# Altium PCB PCB-FPGA.PcbDoc (part 1 of 2) (continued)
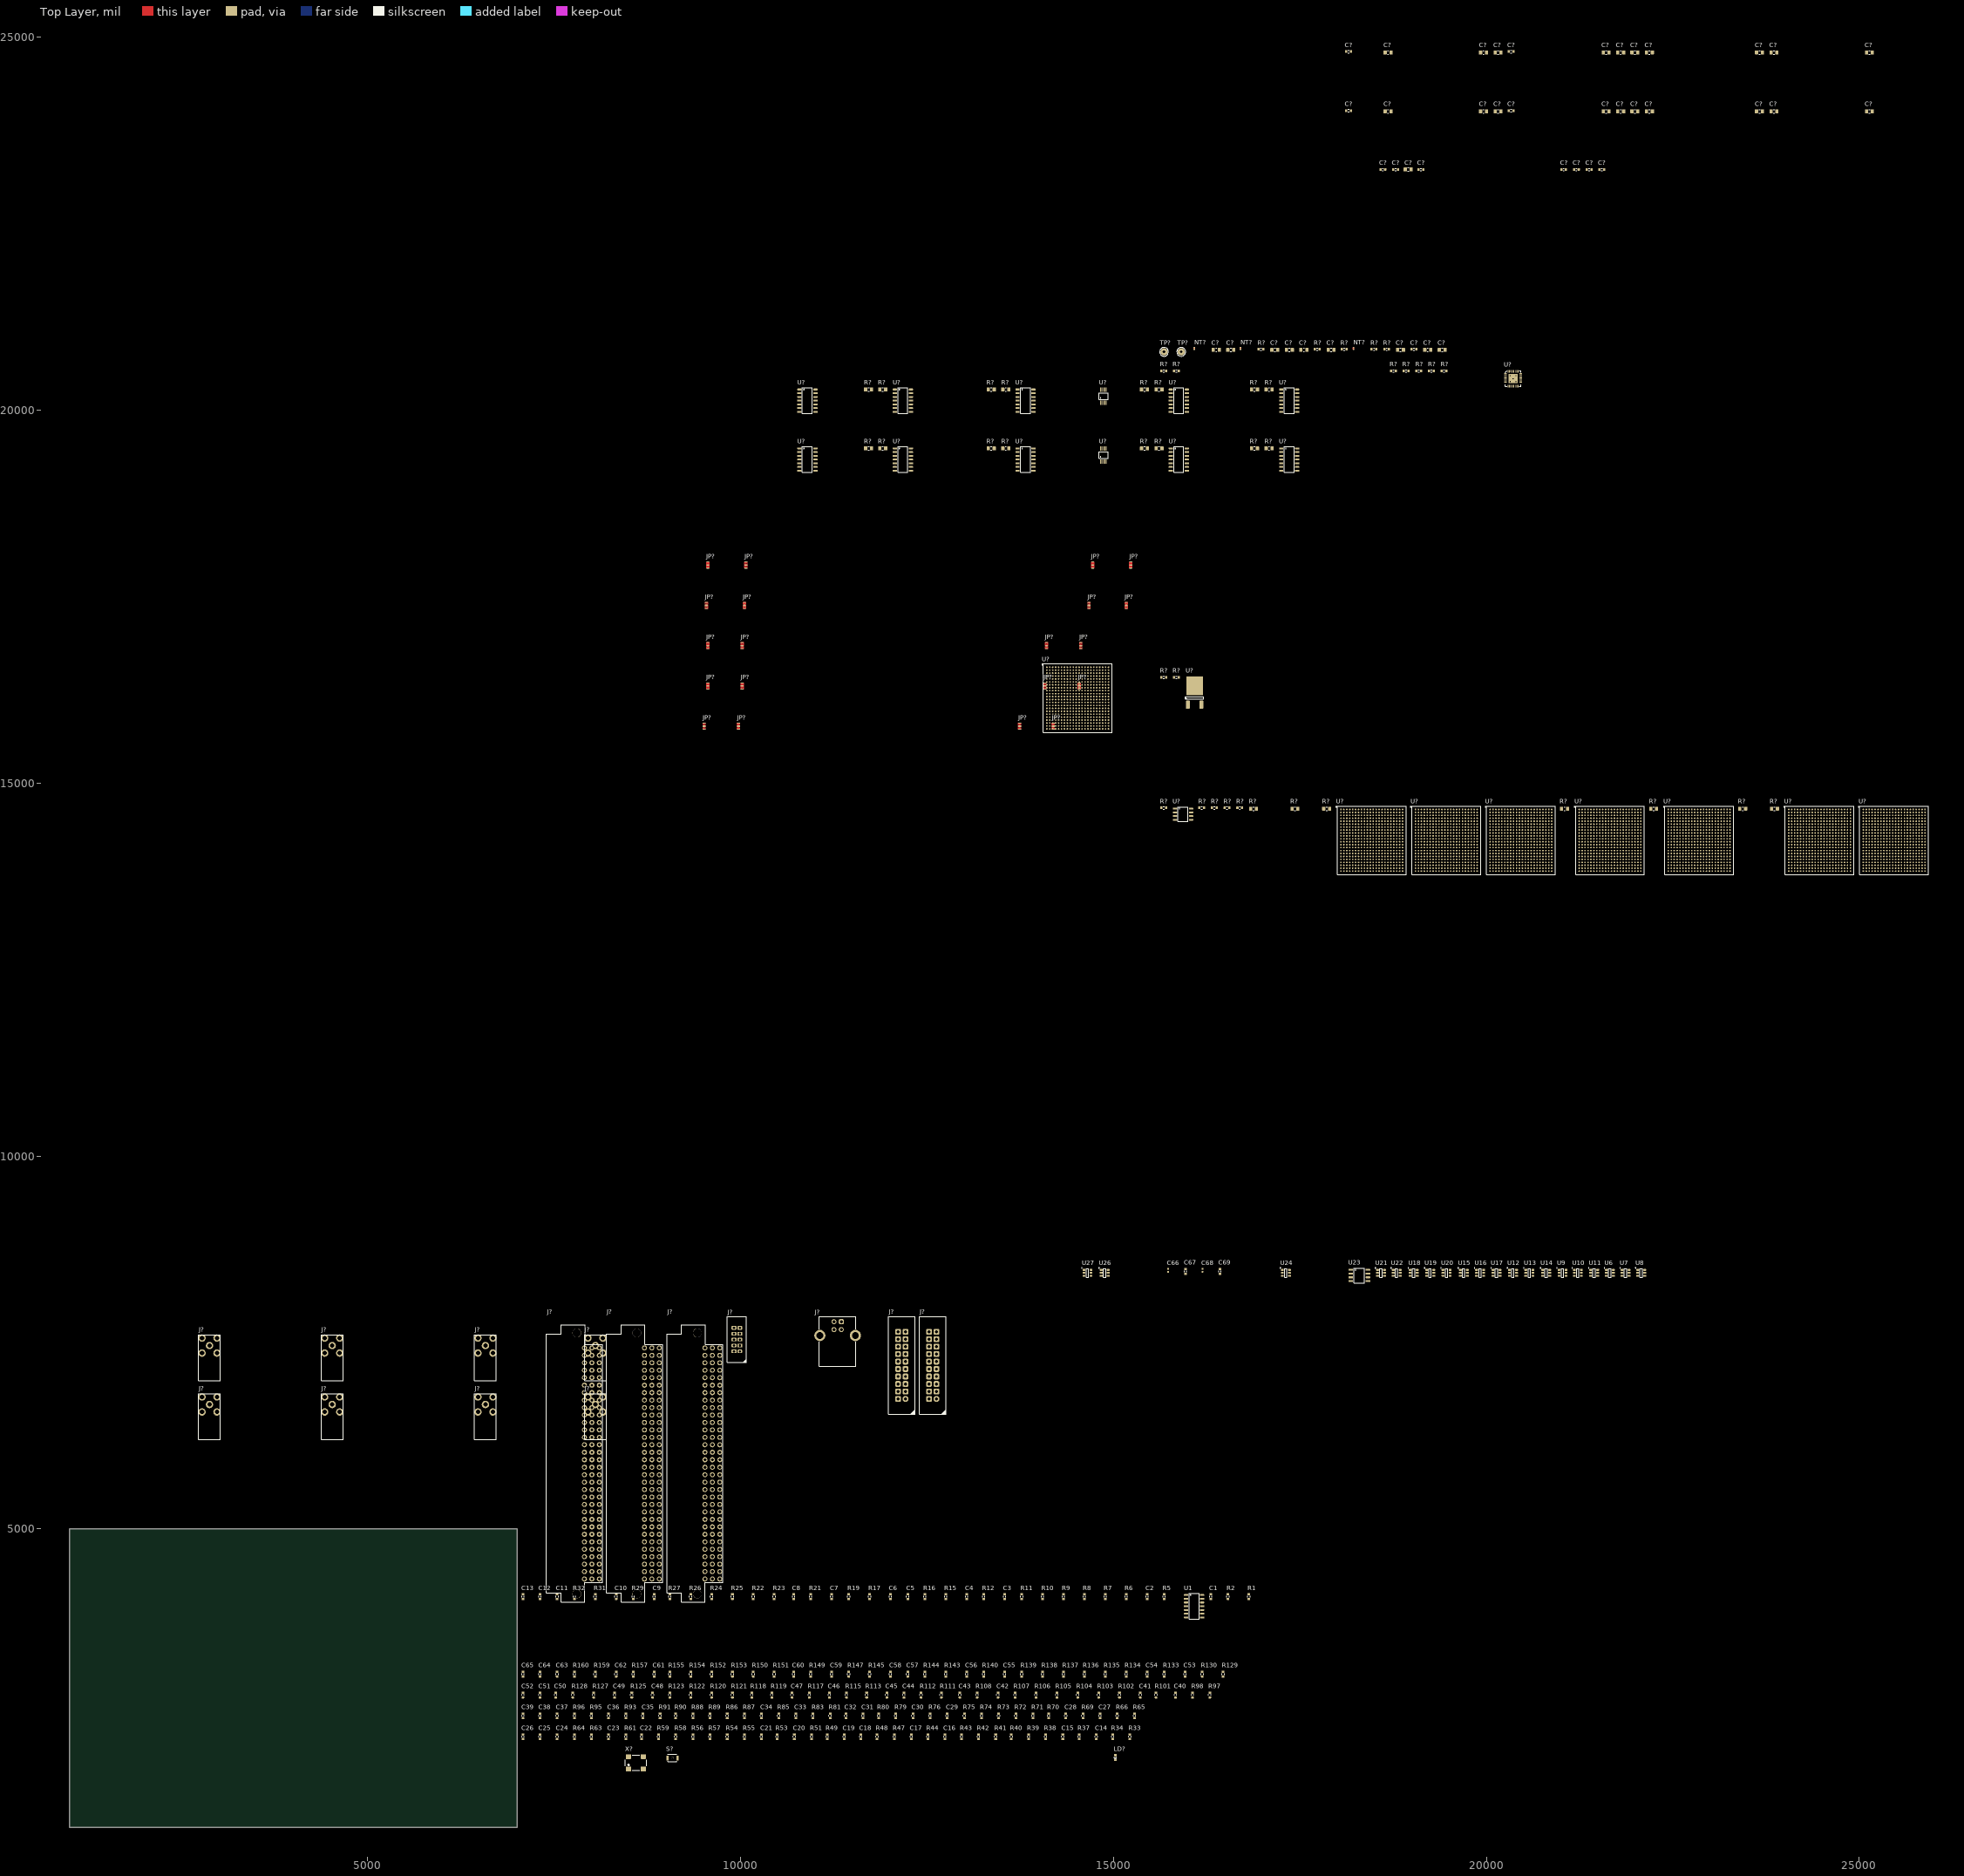
[diagram p0: Top Layer view]
## Components (designator, comment, footprint, x,y, rotation, side; value= is the part's Value field where it differs from the comment) (continued)
R130 "18k" "RESISTOR 1608 REFLOW" 16190,3055 r90 top
R133 "8k2" "RESISTOR 1608 REFLOW" 15680,3055 r90 top
R134 "8k2" "RESISTOR 1608 REFLOW" 15170,3055 r90 top
R135 "82R" "RESISTOR 1608 REFLOW" 14890,3055 r90 top
R136 "82R" "RESISTOR 1608 REFLOW" 14610,3055 r90 top
R137 "8k2" "RESISTOR 1608 REFLOW" 14330,3055 r90 top
R138 "8k2" "RESISTOR 1608 REFLOW" 14050,3055 r90 top
R139 "10k" "RESISTOR 1608 REFLOW" 13770,3055 r90 top
R140 "10k" "RESISTOR 1608 REFLOW" 13260,3055 r90 top
R143 "18k" "RESISTOR 1608 REFLOW" 12750,3055 r90 top
R144 "18k" "RESISTOR 1608 REFLOW" 12470,3055 r90 top
R145 "18k" "RESISTOR 1608 REFLOW" 11730,3055 r90 top
R147 "18k" "RESISTOR 1608 REFLOW" 11450,3055 r90 top
R149 "8k2" "RESISTOR 1608 REFLOW" 10940,3055 r90 top
R150 "8k2" "RESISTOR 1608 REFLOW" 10170,3055 r90 top
R151 "82R" "RESISTOR 1608 REFLOW" 10450,3055 r90 top
R152 "82R" "RESISTOR 1608 REFLOW" 9610,3055 r90 top
R153 "8k2" "RESISTOR 1608 REFLOW" 9890,3055 r90 top
R154 "8k2" "RESISTOR 1608 REFLOW" 9330,3055 r90 top
R155 "10k" "RESISTOR 1608 REFLOW" 9050,3055 r90 top
R157 "10k" "RESISTOR 1608 REFLOW" 8560,3055 r90 top
R159 "18k" "RESISTOR 1608 REFLOW" 8050,3055 r90 top
R160 "18k" "RESISTOR 1608 REFLOW" 7770,3055 r90 top
R? "3k6" "RESISTOR 2012 REFLOW" 11905,20280 r0 top
R? "3k3" "RESISTOR 2012 REFLOW" 11715,20280 r0 top
R? "3k6" "RESISTOR 2012 REFLOW" 13555,20280 r0 top
R? "3k3" "RESISTOR 2012 REFLOW" 13360,20280 r0 top
R? "3k6" "RESISTOR 2012 REFLOW" 15610,20280 r0 top
R? "3k3" "RESISTOR 2012 REFLOW" 15415,20280 r0 top
R? "3k6" "RESISTOR 2012 REFLOW" 17085,20280 r0 top
R? "3k3" "RESISTOR 2012 REFLOW" 16890,20280 r0 top
R? "3k6" "RESISTOR 2012 REFLOW" 11905,19490 r0 top
R? "3k3" "RESISTOR 2012 REFLOW" 11715,19490 r0 top
R? "3k6" "RESISTOR 2012 REFLOW" 13555,19490 r0 top
R? "3k3" "RESISTOR 2012 REFLOW" 13360,19490 r0 top
R? "3k6" "RESISTOR 2012 REFLOW" 15610,19490 r0 top
R? "3k3" "RESISTOR 2012 REFLOW" 15415,19490 r0 top
R? "3k6" "RESISTOR 2012 REFLOW" 17085,19490 r0 top
R? "3k3" "RESISTOR 2012 REFLOW" 16890,19490 r0 top
R? "4.7k" "RESISTOR 2012 REFLOW" 21047.28,14660 r0 top
R? "100" "RESISTOR 2012 REFLOW" 23437.28,14660 r0 top
R? "330" "RESISTOR 2012 REFLOW" 23862.28,14660 r0 top
R? "0" "RESISTOR 2012 REFLOW" 17857.28,14660 r0 top
R? "4.7k" "RESISTOR 2012 REFLOW" 16877.28,14660 r0 top
R? "0" "RESISTOR 2012 REFLOW" 17432.28,14660 r0 top
R? "0" "RESISTOR 2012 REFLOW" 22242.28,14660 r0 top
R? "100" "RESISTOR 1608 REFLOW" 15672.28,14670 r0 top
R? "100" "RESISTOR 1608 REFLOW" 16692.28,14670 r0 top
R? "10k" "RESISTOR 1608 REFLOW" 16352.28,14670 r0 top
R? "10k" "RESISTOR 1608 REFLOW" 16182.28,14670 r0 top
R? "10k" "RESISTOR 1608 REFLOW" 16522.28,14670 r0 top
R? "10k" "RESISTOR 1608 REFLOW" 18092.28,20820 r0 top
R? "56R" "RESISTOR 1608 REFLOW" 18492.28,20820 r0 top
R? "560R" "RESISTOR 1608 REFLOW" 16977.28,20820 r0 top
R? "10k / 0.1%" "RESISTOR 1608 REFLOW" 17732.28,20820 r0 top
R? "10k / 0.1%" "RESISTOR 1608 REFLOW" 18662.28,20820 r0 top
R? "10k" "RESISTOR 1608 REFLOW" 19432.28,20530 r0 top
R? "10k" "RESISTOR 1608 REFLOW" 18752.28,20530 r0 top
R? "10k" "RESISTOR 1608 REFLOW" 18922.28,20530 r0 top
R? "10k" "RESISTOR 1608 REFLOW" 19092.28,20530 r0 top
R? "10k" "RESISTOR 1608 REFLOW" 19262.28,20530 r0 top
R? "4k7" "RESISTOR 1608 REFLOW" 15842.28,20530 r0 top
R? "4k7" "RESISTOR 1608 REFLOW" 15672.28,20530 r0 top
R? "15k" "RESISTOR 1608 REFLOW" 15672.28,16420 r0 top
R? "1k" "RESISTOR 1608 REFLOW" 15842.28,16420 r0 top
S? "*" "Push Button C2.5X3.0 OMRON B3U-1000P(M)-B" 9085,1930 r0 top
TP? "*" "Test Point Keystone Miniature BLACK" 15677.28,20785 r0 top
TP? "*" "Test Point Keystone Miniature BLACK" 15907.28,20785 r0 top
U1 "*" "SO14 P1.27 C4.0X8.8 H1.75" 16080,3965 r0 top
U6 "ADS7886SBDCKT" "SOT23-6 P0.95 C1.5x3.0 H1.3" 21655.63,8435 r0 top
U7 "ADS7886SBDCKT" "SOT23-6 P0.95 C1.5x3.0 H1.3" 21865.63,8435 r0 top
U8 "ADS7886SBDCKT" "SOT23-6 P0.95 C1.5x3.0 H1.3" 22075.63,8435 r0 top
U9 "ADS7886SBDCKT" "SOT23-6 P0.95 C1.5x3.0 H1.3" 21020.63,8435 r0 top
U10 "ADS7886SBDCKT" "SOT23-6 P0.95 C1.5x3.0 H1.3" 21225.63,8435 r0 top
U11 "ADS7886SBDCKT" "SOT23-6 P0.95 C1.5x3.0 H1.3" 21445.63,8435 r0 top
U12 "ADS7886SBDCKT" "SOT23-6 P0.95 C1.5x3.0 H1.3" 20355.63,8435 r0 top
U13 "ADS7886SBDCKT" "SOT23-6 P0.95 C1.5x3.0 H1.3" 20575.63,8435 r0 top
U14 "ADS7886SBDCKT" "SOT23-6 P0.95 C1.5x3.0 H1.3" 20800.63,8435 r0 top
U15 "ADS7886SBDCKT" "SOT23-6 P0.95 C1.5x3.0 H1.3" 19695.63,8435 r0 top
U16 "ADS7886SBDCKT" "SOT23-6 P0.95 C1.5x3.0 H1.3" 19915.63,8435 r0 top
U17 "ADS7886SBDCKT" "SOT23-6 P0.95 C1.5x3.0 H1.3" 20135.63,8435 r0 top
U18 "ADS7886SBDCKT" "SOT23-6 P0.95 C1.5x3.0 H1.3" 19025.63,8435 r0 top
U19 "ADS7886SBDCKT" "SOT23-6 P0.95 C1.5x3.0 H1.3" 19245.63,8435 r0 top
U20 "ADS7886SBDCKT" "SOT23-6 P0.95 C1.5x3.0 H1.3" 19465.63,8435 r0 top
U21 "ADS7886SBDCKT" "SOT23-6 P0.95 C1.5x3.0 H1.3" 18585.63,8435 r0 top
U22 "ADS7886SBDCKT" "SOT23-6 P0.95 C1.5x3.0 H1.3" 18795.63,8435 r0 top
U23 "LT1461ACS8" "SO8 P1.27 C4.0X5.0 H1.75"#1 18295.63,8400 r0 top
U24 "ADS7886SBDCKT" "SOT23-6 P0.95 C1.5x3.0 H1.3" 17310.63,8435 r0 top
U26 "ADS7886SBDCKT" "SOT23-6 P0.95 C1.5x3.0 H1.3" 14880.63,8435 r0 top
U27 "ADS7886SBDCKT" "SOT23-6 P0.95 C1.5x3.0 H1.3" 14650.63,8435 r0 top
U? "AD8648ARZ-REEL7" "SO14 P1.27 C4.0X8.8 H1.75" 10895,20130 r0 top
U? "AD8648ARZ-REEL7" "SO14 P1.27 C4.0X8.8 H1.75" 12175,20130 r0 top
U? "AD8648ARZ-REEL7" "SO14 P1.27 C4.0X8.8 H1.75" 13820,20130 r0 top
U? "AD8648ARZ-REEL7" "SO14 P1.27 C4.0X8.8 H1.75" 15875,20130 r0 top
U? "DAC124S085CIMM/NOPB" "VSSOP10 P0.5 C3.1X3.1 H1.1" 14865,20190 r90 top
U? "AD8648ARZ-REEL7" "SO14 P1.27 C4.0X8.8 H1.75" 17355,20130 r0 top
U? "AD8648ARZ-REEL7" "SO14 P1.27 C4.0X8.8 H1.75" 10895,19340 r0 top
U? "AD8648ARZ-REEL7" "SO14 P1.27 C4.0X8.8 H1.75" 12175,19340 r0 top
U? "AD8648ARZ-REEL7" "SO14 P1.27 C4.0X8.8 H1.75" 13820,19340 r0 top
U? "AD8648ARZ-REEL7" "SO14 P1.27 C4.0X8.8 H1.75" 15875,19340 r0 top
U? "DAC124S085CIMM/NOPB" "VSSOP10 P0.5 C3.1X3.1 H1.1" 14865,19400 r90 top
U? "AD8648ARZ-REEL7" "SO14 P1.27 C4.0X8.8 H1.75" 17355,19340 r0 top
U? "XC6SLX75-FG484" "BGA484 P1.0 C23X23 H2.2" 14518.86,16142.17 r0 top
U? "XC6SLX75-FG484" "BGA484 P1.0 C23X23 H2.2" 20462.28,14235 r0 top
U? "XC6SLX75-FG484" "BGA484 P1.0 C23X23 H2.2" 21657.28,14235 r0 top
U? "XC6SLX75-FG484" "BGA484 P1.0 C23X23 H2.2" 19462.28,14235 r0 top
U? "IS25LP064D-JB" "SO8 P1.27 C4.0X5.0 H1.75"#2 15932.28,14585 r0 top
U? "XC6SLX75-FG484" "BGA484 P1.0 C23X23 H2.2" 18462.28,14235 r0 top
U? "XC6SLX75-FG484" "BGA484 P1.0 C23X23 H2.2" 24467.28,14235 r0 top
U? "XC6SLX75-FG484" "BGA484 P1.0 C23X23 H2.2" 25467.28,14235 r0 top
U? "XC6SLX75-FG484" "BGA484 P1.0 C23X23 H2.2" 22852.28,14235 r0 top
U? "FT232RQ" "QFN32 P0.5 T3.2x3.2 C5.0X5.0 H1.0" 20357.28,20425 r0 top
U? "LM317MDTRKG" "TO252-2 P2.29 C6.2x6.7 H2.4" 16087.28,16215 r90 top
X? "831022731" "Oscillator C5.2x7.2 IQD LFSPXO" 8595,1865 r0 top

## Footprints (in the part's own frame and the unit in brackets; to place one, negate y for a bottom-side part, rotate by r counter-clockwise, add the part's x,y. Pads: shape width x height; smd on the part's side, far side on the other; paste and mask are expansions set on the pad)
"BGA484 P1.0 C23X23 H2.2" [mm] "BGA, 484-Balls, Body 23x23mm, Pitch 1mm, Microsemi"
  round 0.54 smd paste-0.06: A1(-10.5,10.5) A2(-9.5,10.5) A3(-8.5,10.5) A4(-7.5,10.5) A5(-6.5,10.5) A6(-5.5,10.5) A7(-4.5,10.5) A8(-3.5,10.5) A9(-2.5,10.5) A10(-1.5,10.5) A11(-0.5,10.5) A12(0.5,10.5) A13(1.5,10.5) A14(2.5,10.5) A15(3.5,10.5) A16(4.5,10.5) A17(5.5,10.5) A18(6.5,10.5) A19(7.5,10.5) A20(8.5,10.5) A21(9.5,10.5) A22(10.5,10.5) AA1(-10.5,-9.5) AA2(-9.5,-9.5) AA3(-8.5,-9.5) AA4(-7.5,-9.5) AA5(-6.5,-9.5) AA6(-5.5,-9.5) AA7(-4.5,-9.5) AA8(-3.5,-9.5) AA9(-2.5,-9.5) AA10(-1.5,-9.5) AA11(-0.5,-9.5) AA12(0.5,-9.5) AA13(1.5,-9.5) AA14(2.5,-9.5) AA15(3.5,-9.5) AA16(4.5,-9.5) AA17(5.5,-9.5) AA18(6.5,-9.5) AA19(7.5,-9.5) AA20(8.5,-9.5) AA21(9.5,-9.5) AA22(10.5,-9.5) AB1(-10.5,-10.5) AB2(-9.5,-10.5) AB3(-8.5,-10.5) AB4(-7.5,-10.5) AB5(-6.5,-10.5) AB6(-5.5,-10.5) AB7(-4.5,-10.5) AB8(-3.5,-10.5) AB9(-2.5,-10.5) AB10(-1.5,-10.5) AB11(-0.5,-10.5) AB12(0.5,-10.5) AB13(1.5,-10.5) AB14(2.5,-10.5) AB15(3.5,-10.5) AB16(4.5,-10.5) AB17(5.5,-10.5) AB18(6.5,-10.5) AB19(7.5,-10.5) AB20(8.5,-10.5) AB21(9.5,-10.5) AB22(10.5,-10.5) B1(-10.5,9.5) B2(-9.5,9.5) B3(-8.5,9.5) B4(-7.5,9.5) B5(-6.5,9.5) B6(-5.5,9.5) B7(-4.5,9.5) B8(-3.5,9.5) B9(-2.5,9.5) B10(-1.5,9.5) B11(-0.5,9.5) B12(0.5,9.5) B13(1.5,9.5) B14(2.5,9.5) B15(3.5,9.5) B16(4.5,9.5) B17(5.5,9.5) B18(6.5,9.5) B19(7.5,9.5) B20(8.5,9.5) B21(9.5,9.5) B22(10.5,9.5) C1(-10.5,8.5) C2(-9.5,8.5) C3(-8.5,8.5) C4(-7.5,8.5) C5(-6.5,8.5) C6(-5.5,8.5) C7(-4.5,8.5) C8(-3.5,8.5) C9(-2.5,8.5) C10(-1.5,8.5) C11(-0.5,8.5) C12(0.5,8.5) C13(1.5,8.5) C14(2.5,8.5) C15(3.5,8.5) C16(4.5,8.5) C17(5.5,8.5) C18(6.5,8.5) C19(7.5,8.5) C20(8.5,8.5) C21(9.5,8.5) C22(10.5,8.5) D1(-10.5,7.5) D2(-9.5,7.5) D3(-8.5,7.5) D4(-7.5,7.5) D5(-6.5,7.5) D6(-5.5,7.5) D7(-4.5,7.5) D8(-3.5,7.5) D9(-2.5,7.5) D10(-1.5,7.5) D11(-0.5,7.5) D12(0.5,7.5) D13(1.5,7.5) D14(2.5,7.5) D15(3.5,7.5) D16(4.5,7.5) D17(5.5,7.5) D18(6.5,7.5) D19(7.5,7.5) D20(8.5,7.5) D21(9.5,7.5) D22(10.5,7.5) E1(-10.5,6.5) E2(-9.5,6.5) E3(-8.5,6.5) E4(-7.5,6.5) E5(-6.5,6.5) E6(-5.5,6.5) E7(-4.5,6.5) E8(-3.5,6.5) E9(-2.5,6.5) E10(-1.5,6.5) E11(-0.5,6.5) E12(0.5,6.5) E13(1.5,6.5) E14(2.5,6.5) E15(3.5,6.5) E16(4.5,6.5) E17(5.5,6.5) E18(6.5,6.5) E19(7.5,6.5) E20(8.5,6.5) E21(9.5,6.5) E22(10.5,6.5) F1(-10.5,5.5) F2(-9.5,5.5) F3(-8.5,5.5) F4(-7.5,5.5) F5(-6.5,5.5) F6(-5.5,5.5) F7(-4.5,5.5) F8(-3.5,5.5) F9(-2.5,5.5) F10(-1.5,5.5) F11(-0.5,5.5) F12(0.5,5.5) F13(1.5,5.5) F14(2.5,5.5) F15(3.5,5.5) F16(4.5,5.5) F17(5.5,5.5) F18(6.5,5.5) F19(7.5,5.5) F20(8.5,5.5) F21(9.5,5.5) F22(10.5,5.5) G1(-10.5,4.5) G2(-9.5,4.5) G3(-8.5,4.5) G4(-7.5,4.5) G5(-6.5,4.5) G6(-5.5,4.5) G7(-4.5,4.5) G8(-3.5,4.5) G9(-2.5,4.5) G10(-1.5,4.5) G11(-0.5,4.5) G12(0.5,4.5) G13(1.5,4.5) G14(2.5,4.5) G15(3.5,4.5) G16(4.5,4.5) G17(5.5,4.5) G18(6.5,4.5) G19(7.5,4.5) G20(8.5,4.5) G21(9.5,4.5) G22(10.5,4.5) H1(-10.5,3.5) H2(-9.5,3.5) H3(-8.5,3.5) H4(-7.5,3.5) H5(-6.5,3.5) H6(-5.5,3.5) H7(-4.5,3.5) H8(-3.5,3.5) H9(-2.5,3.5) H10(-1.5,3.5) H11(-0.5,3.5) H12(0.5,3.5) H13(1.5,3.5) H14(2.5,3.5) H15(3.5,3.5) H16(4.5,3.5) H17(5.5,3.5) H18(6.5,3.5) H19(7.5,3.5) H20(8.5,3.5) H21(9.5,3.5) H22(10.5,3.5) J1(-10.5,2.5) J2(-9.5,2.5) J3(-8.5,2.5) J4(-7.5,2.5) J5(-6.5,2.5) J6(-5.5,2.5) J7(-4.5,2.5) J8(-3.5,2.5) J9(-2.5,2.5) J10(-1.5,2.5) J11(-0.5,2.5) J12(0.5,2.5) J13(1.5,2.5) J14(2.5,2.5) J15(3.5,2.5) J16(4.5,2.5) J17(5.5,2.5) J18(6.5,2.5) J19(7.5,2.5) J20(8.5,2.5) J21(9.5,2.5) J22(10.5,2.5) K1(-10.5,1.5) K2(-9.5,1.5) K3(-8.5,1.5) K4(-7.5,1.5) K5(-6.5,1.5) K6(-5.5,1.5) K7(-4.5,1.5) K8(-3.5,1.5) K9(-2.5,1.5) K10(-1.5,1.5) K11(-0.5,1.5) K12(0.5,1.5) K13(1.5,1.5) K14(2.5,1.5) K15(3.5,1.5) K16(4.5,1.5) K17(5.5,1.5) K18(6.5,1.5) K19(7.5,1.5) K20(8.5,1.5) K21(9.5,1.5) K22(10.5,1.5) L1(-10.5,0.5) L2(-9.5,0.5) L3(-8.5,0.5) L4(-7.5,0.5) L5(-6.5,0.5) L6(-5.5,0.5) L7(-4.5,0.5) L8(-3.5,0.5) L9(-2.5,0.5) L10(-1.5,0.5) L11(-0.5,0.5) L12(0.5,0.5) L13(1.5,0.5) L14(2.5,0.5) L15(3.5,0.5) L16(4.5,0.5) L17(5.5,0.5) L18(6.5,0.5) L19(7.5,0.5) L20(8.5,0.5) L21(9.5,0.5) L22(10.5,0.5) M1(-10.5,-0.5) M2(-9.5,-0.5) M3(-8.5,-0.5) M4(-7.5,-0.5) M5(-6.5,-0.5) M6(-5.5,-0.5) M7(-4.5,-0.5) M8(-3.5,-0.5) M9(-2.5,-0.5) M10(-1.5,-0.5) M11(-0.5,-0.5) M12(0.5,-0.5) M13(1.5,-0.5) M14(2.5,-0.5) M15(3.5,-0.5) M16(4.5,-0.5) M17(5.5,-0.5) M18(6.5,-0.5) M19(7.5,-0.5) M20(8.5,-0.5) M21(9.5,-0.5) M22(10.5,-0.5) N1(-10.5,-1.5) N2(-9.5,-1.5) N3(-8.5,-1.5) N4(-7.5,-1.5) N5(-6.5,-1.5) N6(-5.5,-1.5) N7(-4.5,-1.5) N8(-3.5,-1.5) N9(-2.5,-1.5) N10(-1.5,-1.5) N11(-0.5,-1.5) N12(0.5,-1.5) N13(1.5,-1.5) N14(2.5,-1.5) N15(3.5,-1.5) N16(4.5,-1.5) N17(5.5,-1.5) N18(6.5,-1.5) N19(7.5,-1.5) N20(8.5,-1.5) N21(9.5,-1.5) N22(10.5,-1.5) P1(-10.5,-2.5) P2(-9.5,-2.5) P3(-8.5,-2.5) P4(-7.5,-2.5) P5(-6.5,-2.5) P6(-5.5,-2.5) P7(-4.5,-2.5) P8(-3.5,-2.5) P9(-2.5,-2.5) P10(-1.5,-2.5) P11(-0.5,-2.5) P12(0.5,-2.5) P13(1.5,-2.5) P14(2.5,-2.5) P15(3.5,-2.5) P16(4.5,-2.5) P17(5.5,-2.5) P18(6.5,-2.5) P19(7.5,-2.5) P20(8.5,-2.5) P21(9.5,-2.5) P22(10.5,-2.5) R1(-10.5,-3.5) R2(-9.5,-3.5) R3(-8.5,-3.5) R4(-7.5,-3.5) R5(-6.5,-3.5) R6(-5.5,-3.5) R7(-4.5,-3.5) R8(-3.5,-3.5) R9(-2.5,-3.5) R10(-1.5,-3.5) R11(-0.5,-3.5) R12(0.5,-3.5) R13(1.5,-3.5) R14(2.5,-3.5) R15(3.5,-3.5) R16(4.5,-3.5) R17(5.5,-3.5) R18(6.5,-3.5) R19(7.5,-3.5) R20(8.5,-3.5) R21(9.5,-3.5) R22(10.5,-3.5) T1(-10.5,-4.5) T2(-9.5,-4.5) T3(-8.5,-4.5) T4(-7.5,-4.5) T5(-6.5,-4.5) T6(-5.5,-4.5) T7(-4.5,-4.5) T8(-3.5,-4.5) T9(-2.5,-4.5) T10(-1.5,-4.5) T11(-0.5,-4.5) T12(0.5,-4.5) T13(1.5,-4.5) T14(2.5,-4.5) T15(3.5,-4.5) T16(4.5,-4.5) T17(5.5,-4.5) T18(6.5,-4.5) T19(7.5,-4.5) T20(8.5,-4.5) T21(9.5,-4.5) T22(10.5,-4.5) U1(-10.5,-5.5) U2(-9.5,-5.5) U3(-8.5,-5.5) U4(-7.5,-5.5) U5(-6.5,-5.5) U6(-5.5,-5.5) U7(-4.5,-5.5) U8(-3.5,-5.5) U9(-2.5,-5.5) U10(-1.5,-5.5) U11(-0.5,-5.5) U12(0.5,-5.5) U13(1.5,-5.5) U14(2.5,-5.5) U15(3.5,-5.5) U16(4.5,-5.5) U17(5.5,-5.5) U18(6.5,-5.5) U19(7.5,-5.5) U20(8.5,-5.5) U21(9.5,-5.5) U22(10.5,-5.5) V1(-10.5,-6.5) V2(-9.5,-6.5) V3(-8.5,-6.5) V4(-7.5,-6.5) V5(-6.5,-6.5) V6(-5.5,-6.5) V7(-4.5,-6.5) V8(-3.5,-6.5) V9(-2.5,-6.5) V10(-1.5,-6.5) V11(-0.5,-6.5) V12(0.5,-6.5) V13(1.5,-6.5) V14(2.5,-6.5) V15(3.5,-6.5) V16(4.5,-6.5) V17(5.5,-6.5) V18(6.5,-6.5) V19(7.5,-6.5) V20(8.5,-6.5) V21(9.5,-6.5) V22(10.5,-6.5) W1(-10.5,-7.5) W2(-9.5,-7.5) W3(-8.5,-7.5) W4(-7.5,-7.5) W5(-6.5,-7.5) W6(-5.5,-7.5) W7(-4.5,-7.5) W8(-3.5,-7.5) W9(-2.5,-7.5) W10(-1.5,-7.5) W11(-0.5,-7.5) W12(0.5,-7.5) W13(1.5,-7.5) W14(2.5,-7.5) W15(3.5,-7.5) W16(4.5,-7.5) W17(5.5,-7.5) W18(6.5,-7.5) W19(7.5,-7.5) W20(8.5,-7.5) W21(9.5,-7.5) W22(10.5,-7.5) Y1(-10.5,-8.5) Y2(-9.5,-8.5) Y3(-8.5,-8.5) Y4(-7.5,-8.5) Y5(-6.5,-8.5) Y6(-5.5,-8.5) Y7(-4.5,-8.5) Y8(-3.5,-8.5) Y9(-2.5,-8.5) Y10(-1.5,-8.5) Y11(-0.5,-8.5) Y12(0.5,-8.5) Y13(1.5,-8.5) Y14(2.5,-8.5) Y15(3.5,-8.5) Y16(4.5,-8.5) Y17(5.5,-8.5) Y18(6.5,-8.5) Y19(7.5,-8.5) Y20(8.5,-8.5) Y21(9.5,-8.5) Y22(10.5,-8.5)
  silkscreen extent -12.22,-11.7 11.7,11.7, body extent -11.5,-11.5 11.5,11.5, height 2.23
"CAPACITOR 1005 REFLOW" [mm] "Capacitor SMD 1.0x0.5mm (0402-imperial)"
  rrect25% 0.6x0.6 smd: 1(-0.5,0) 2(0.5,0)
  body extent -0.5,-0.25 0.5,0.25, height 0.5
"CAPACITOR 1608 REFLOW" [mm] "Capacitor SMD 1.6x0.8mm (0603-imperial)"
  rrect25% 0.75x0.9 smd: 1(-0.8,0) 2(0.8,0)
  silkscreen extent -0.2,-0.4 0.2,0.4, body extent -0.8,-0.4 0.8,0.4, height 0.8
"CAPACITOR 2012 REFLOW" [mm] "Capacitor SMD 2.0x1.2mm (0805-imperial)"
  rrect25% 1.1x1.35 smd: 1(-1,0) 2(1,0)
  silkscreen extent -0.2,-0.6 0.2,0.6, body extent -1,-0.6 1,0.6, height 1
"DIN41612 MALE 3X32 ABC R90" [mm] "DIN41612 MALE 3X32 ABC R90"
  round 3 hole 3 paste-25.4 mask-25.4: 0(-44.45,-10.1) 0(44.45,-10.1)
  round 1.7 hole 1: A1(-39.4,-12.7) A2(-36.86,-12.7) A3(-34.32,-12.7) A4(-31.78,-12.7) A5(-29.24,-12.7) A6(-26.7,-12.7) A7(-24.16,-12.7) A8(-21.62,-12.7) A9(-19.08,-12.7) A10(-16.54,-12.7) A11(-14,-12.7) A12(-11.46,-12.7) A13(-8.92,-12.7) A14(-6.38,-12.7) A15(-3.84,-12.7) A16(-1.3,-12.7) A17(1.24,-12.7) A18(3.78,-12.7) A19(6.32,-12.7) A20(8.86,-12.7) A21(11.4,-12.7) A22(13.94,-12.7) A23(16.48,-12.7) A24(19.02,-12.7) A25(21.56,-12.7) A26(24.1,-12.7) A27(26.64,-12.7) A28(29.18,-12.7) A29(31.72,-12.7) A30(34.26,-12.7) A31(36.8,-12.7) A32(39.34,-12.7) B1(-39.4,-15.24) B2(-36.86,-15.24) B3(-34.32,-15.24) B4(-31.78,-15.24) B5(-29.24,-15.24) B6(-26.7,-15.24) B7(-24.16,-15.24) B8(-21.62,-15.24) B9(-19.08,-15.24) B10(-16.54,-15.24) B11(-14,-15.24) B12(-11.46,-15.24) B13(-8.92,-15.24) B14(-6.38,-15.24) B15(-3.84,-15.24) B16(-1.3,-15.24) B17(1.24,-15.24) B18(3.78,-15.24) B19(6.32,-15.24) B20(8.86,-15.24) B21(11.4,-15.24) B22(13.94,-15.24) B23(16.48,-15.24) B24(19.02,-15.24) B25(21.56,-15.24) B26(24.1,-15.24) B27(26.64,-15.24) B28(29.18,-15.24) B29(31.72,-15.24) B30(34.26,-15.24) B31(36.8,-15.24) B32(39.34,-15.24) C1(-39.4,-17.78) C2(-36.86,-17.78) C3(-34.32,-17.78) C4(-31.78,-17.78) C5(-29.24,-17.78) C6(-26.7,-17.78) C7(-24.16,-17.78) C8(-21.62,-17.78) C9(-19.08,-17.78) C10(-16.54,-17.78) C11(-14,-17.78) C12(-11.46,-17.78) C13(-8.92,-17.78) C14(-6.38,-17.78) C15(-3.84,-17.78) C16(-1.3,-17.78) C17(1.24,-17.78) C18(3.78,-17.78) C19(6.32,-17.78) C20(8.86,-17.78) C21(11.4,-17.78) C22(13.94,-17.78) C23(16.48,-17.78) C24(19.02,-17.78) C25(21.56,-17.78) C26(24.1,-17.78) C27(26.64,-17.78) C28(29.18,-17.78) C29(31.72,-17.78) C30(34.26,-17.78) C31(36.8,-17.78) C32(39.34,-17.78)
  silkscreen extent -47.2,-18.9 47.2,0.2, body extent -47,-18.08 47,0, height 9.5
"FlatCable2x5 2MM Straight TH FCI 98414-G06-10ULF" [mm] "FlatCable2x5 2MM Straight TH FCI 98414-G06-10ULF"
  oct 1.219x1.727 hole 0.8: 1(-4,-1)
  rrect50% 1.219x1.727 hole 0.8: 2(-4,1) 3(-2,-1) 4(-2,1) 5(0,-1) 6(0,1) 7(2,-1) 8(2,1) 9(4,-1) 10(4,1)
  silkscreen extent -7.8,-3.3 7.8,3.3, body extent -6,-3 6,3, height 5.9
"FlatCable2x10 2.54MM Straight TH" [mm] "FlatCable2x10 2.54MM Straight TH, DIN 41651, Generic"
  oct 2x2 hole 1: 1(-11.43,-1.27)
  rrect50% 2x2 hole 1: 2(-11.43,1.27) 3(-8.89,-1.27) 4(-8.89,1.27) 5(-6.35,-1.27) 6(-6.35,1.27) 7(-3.81,-1.27) 8(-3.81,1.27) 9(-1.27,-1.27) 10(-1.27,1.27) 11(1.27,-1.27) 12(1.27,1.27) 13(3.81,-1.27) 14(3.81,1.27) 15(6.35,-1.27) 16(6.35,1.27) 17(8.89,-1.27) 18(8.89,1.27) 19(11.43,-1.27) 20(11.43,1.27)
  silkscreen extent -16.65,-4.59 16.64,4.57, body extent -16.51,-4.45 16.51,4.46, height 9.1
"JUMPER3 SMD 1608" [mm] "JUMPER SMD 3LEADS 1608 (0603-Imperial)"
  rrect50% 0.3x1 smd paste-0.8 mask-0.5: 1(-1.05,0) 3(1.05,0)
  rect 0.5x1 smd paste-0.8 mask-0.5: 2(0,0)
  Top Layer region: -1.1,0.5 -1.1,-0.5 -0.45,-0.5 -0.45,-0.4 -0.8,-0.05 -0.8,0.05 -0.45,0.4 -0.45,0.5
  Top Layer region: -0.25,0.4 -0.6,0.05 -0.6,-0.05 -0.25,-0.4 -0.25,-0.5 0.25,-0.5 0.25,-0.4 0.6,-0.05 0.6,0.05 0.25,0.4 0.25,0.5 0.1,0.5 -0.25,0.5
  Top Layer region: 1.1,-0.5 1.1,0.5 0.45,0.5 0.45,0.4 0.8,0.05 0.8,-0.05 0.45,-0.4 0.45,-0.5
"LED 1608 REFLOW" [mm] "LED SMD 1.6x0.8mm (0603-imperial)"
  rrect25% 0.75x0.9 smd: 1(-0.8,0) 2(0.8,0)
  silkscreen extent -0.2,-0.4 0.2,0.4, body extent -0.8,-0.4 0.8,0.4, height 0.45
"NET TIE 1005" [mm] "Net Tie, connect two different net without DRC error"
  rrect25% 0.4x0.5 smd paste-0.8 mask+0: 1(-0.3,0) 2(0.3,0)
  Top Layer region: -0.3,0.25 -0.3,-0.25 0.325,-0.25 0.325,0.25
"Oscillator C5.2x7.2 IQD LFSPXO" [mm] "Oscillator C5.2x7.2 IQD LFSPXO"
  rrect25% 1.8x1.6 smd: 1(-2.54,-2.1) 2(2.54,-2.1) 3(2.54,2.1) 4(-2.54,2.1)
  silkscreen extent -3.6,-2.6 3.6,2.6, body extent -3.6,-2.6 3.6,2.6, height 1.91
"Push Button C2.5X3.0 OMRON B3U-1000P(M)-B" [mm] "Push Button C2.5X3.0 OMRON B3U-1000P(M)-B"
  rrect25% 0.8x1.7 smd: 1(-1.7,0) 2(1.7,0)
  round 0.8 hole 0.8 unplated: 3(0,0)
  silkscreen extent -1.5,-1.3 1.5,1.3, body extent -1.5,-1.25 1.5,1.25, height 1.6
"QFN32 P0.5 T3.2x3.2 C5.0X5.0 H1.0" [mm] "QFN32 Pitch 0.5mm, Thermal pad 3.2x3.2mm, Body 5X5mm, Heigh 1.0mm"
  rrect50% 0.9x0.28 smd: 1(-2.55,1.75) 2(-2.55,1.25) 3(-2.55,0.75) 4(-2.55,0.25) 5(-2.55,-0.25) 6(-2.55,-0.75) 7(-2.55,-1.25) 8(-2.55,-1.75) 17(2.55,-1.75) 18(2.55,-1.25) 19(2.55,-0.75) 20(2.55,-0.25) 21(2.55,0.25) 22(2.55,0.75) 23(2.55,1.25) 24(2.55,1.75)
  rrect50% 0.28x0.9 smd: 9(-1.75,-2.55) 10(-1.25,-2.55) 11(-0.75,-2.55) 12(-0.25,-2.55) 13(0.25,-2.55) 14(0.75,-2.55) 15(1.25,-2.55) 16(1.75,-2.55) 25(1.75,2.55) 26(1.25,2.55) 27(0.75,2.55) 28(0.25,2.55) 29(-0.25,2.55) 30(-0.75,2.55) 31(-1.25,2.55) 32(-1.75,2.55)
  rect 3.2x3.2 smd: 33(0,0)
  silkscreen extent -2.7,-2.7 2.7,2.7, body extent -2.55,-2.55 2.55,2.55, height 1.01
"RESISTOR 1608 REFLOW" [mm] "Resistor SMD 1.6x0.8mm (0603-imperial)"
  rrect25% 0.75x0.9 smd: 1(-0.8,0) 2(0.8,0)
  silkscreen extent -0.2,-0.4 0.2,0.4, body extent -0.77,-0.42 0.78,0.43, height 0.45
"RESISTOR 2012 REFLOW" [mm] "Resistor SMD 2.0x1.2mm (0805-imperial)"
  rrect25% 1.1x1.35 smd: 1(-1,0) 2(1,0)
  silkscreen extent -0.2,-0.6 0.2,0.6, body extent -1,-0.62 1,0.63, height 0.45
"SMA TH Right Angle Linx CONSMA002" [mm] "Connector SMA TH Right Angle Linx CONSMA002"
  round 2.5 hole 1.5: 1(0,0) 2(-2.55,-2.55) 2(-2.55,2.55) 2(2.55,-2.55) 2(2.55,2.55)
  silkscreen extent -11.9,-3.7 3.7,3.7, body extent -11.71,-3.5 3.5,3.5, height 10
"SO8 P1.27 C4.0X5.0 H1.75"#1 [mm] "8-Pin Small Outline Integrated Circuit 1.27 mm Pitch, IPC Medium Density"
  rrect50% 1.6x0.6 smd: 1(-2.921,1.905) 2(-2.921,0.635) 3(-2.921,-0.635) 4(-2.921,-1.905) 5(2.921,-1.905) 6(2.921,-0.635) 7(2.921,0.635) 8(2.921,1.905)
  silkscreen extent -1.8,-2.5 1.8,2.5, body extent -2,-2.5 2,2.5, height 1.76
"SO8 P1.27 C4.0X5.0 H1.75"#2 [mm] "8-Pin Small Outline Integrated Circuit 1.27 mm Pitch, IPC Medium Density"
  rrect50% 1.45x0.6 smd: 1(-2.725,1.905) 2(-2.725,0.635) 3(-2.725,-0.635) 4(-2.725,-1.905) 5(2.725,-1.905) 6(2.725,-0.635) 7(2.725,0.635) 8(2.725,1.905)
  silkscreen extent -1.7,-2.5 1.7,2.5, body extent -2,-2.5 2,2.5, height 1.76
"SO14 P1.27 C4.0X8.8 H1.75" [mm] "SOIC, 14-Leads, Body 4.0X8.8mm, Pitch 1.27mm, IPC Medium Density"
  rrect50% 1.45x0.6 smd: 1(-2.725,3.81) 2(-2.725,2.54) 3(-2.725,1.27) 4(-2.725,0) 5(-2.725,-1.27) 6(-2.725,-2.54) 7(-2.725,-3.81) 8(2.725,-3.81) 9(2.725,-2.54) 10(2.725,-1.27) 11(2.725,0) 12(2.725,1.27) 13(2.725,2.54) 14(2.725,3.81)
  silkscreen extent -1.7,-4.4 1.7,4.4, body extent -2,-4.4 2,4.4, height 1.76
"SOT23-6 P0.95 C1.5x3.0 H1.3" [mm] "SOT23, 6-Leads, Body 1.6x3.0mm, Pitch 0.95mm, IPC Medium Density"
  rrect50% 1x0.6 smd: 1(-1.2,1) 2(-1.2,0) 3(-1.2,-1) 4(1.2,-1) 5(1.2,0) 6(1.2,1)
  silkscreen extent -2,-1.5 0.4,1.8, body extent -0.8,-1.5 0.8,1.5, height 1.31
"Test Point Keystone Miniature BLACK" [mm] "Test Point Keystone Miniature BLACK"
  round 2.5 hole 1: 1(0,0)
  silkscreen extent -1.5,-1.5 1.5,1.5, body extent -1.25,-1.25 1.25,1.25, height 5
"TO252-2 P2.29 C6.2x6.7 H2.4" [mm] "TO252-2 LEAD (DPAK), Body 6.2x6.7mm"
  rrect50% 2.9x1.3 smd: 1(-4.1,2.3) 2(-4.1,-2.3)
  rect 6.5x5.6 smd: 3(2.3,0)
  silkscreen extent -2.2,-3.1 -1.4,3.1, body extent -1.9,-3.1 4.3,3.1, height 2.4
"USB-B TH AMPHENOL UE27-BC54-130" [mm] "USB-B TH AMPHENOL UE27-BC54-130"
  rrect50% 1.7x1.7 hole 1: 1(1.25,15)
  round 1.7 hole 1: 2(-1.25,15) 3(-1.25,12.3) 4(1.25,12.3)
  round 3.81 hole 2.3: 5(-6.05,10.3) 6(6.05,10.3)
  silkscreen extent -6.2,-0.2 6.2,16.7, body extent -6.3,-0.1 6.3,16.5, height 10.6
"VSSOP10 P0.5 C3.1X3.1 H1.1" [mm] "VSSOP, 10-Leads, Body 3.10x3.1mm, Pitch 0.5mm, Height 1.1"
  rrect25% 1.5x0.3 smd: 1(-2.2,1) 2(-2.2,0.5) 3(-2.2,0) 4(-2.2,-0.5) 5(-2.2,-1) 6(2.2,-1) 7(2.2,-0.5) 8(2.2,0) 9(2.2,0.5) 10(2.2,1)
  silkscreen extent -1.15,-1.55 1.15,1.55, body extent -1.55,-1.55 1.55,1.55, height 1.11

## Part data
C1 C2 C3 C4 C5 C6 C7 C8 C9 C10 C11 C12 C13 C14 C15 C16 C17 C18 C19 C20 C21 C22 C23 C24 C25 C26 C27 C28 C29 C30 C31 C32 C33 C34 C35 C36 C37 C38 C39 C40 C41 C42 C43 C44 C45 C46 C47 C48 C49 C50 C51 C52 C53 C54 C55 C56 C57 C58 C59 C60 C61 C62 C63 C64 C65 C? C? C? C? C? C?: library part Capacitor, "Capacitor X7R 10% 50V 1608(0603)"
C66 C67 C68 C69 C? C? C? C? C? C?: library part Capacitor, "Capacitor"
C? C? C? C? C? C? C? C? C? C? C? C? C? C? C? C? C? C? C? C? C?: library part Capacitor, "Capacitor X7R 10% 50V 2012(0805)"
C? C? C? C? C? C? C? C? C?: library part Capacitor, "Capacitor X7R 10% 10V 2012(0805)"
J? J? J? J? J? J? J? J?: library part "SMA TH RIGHT ANGLE LINX CONSMA002", "SMA TH RIGHT ANGLE LINX CONSMA002", Manufacturer="Linx Technologies", Mouser No.=712-CONSMA002-G
J? J?: library part FlatCable2x10, "FlatCable2x10", Manufacturer="Wurth Elektronik", Mouser No.=710-61202021621
J? J? J?: library part "DIN41612 MALE 3X32 ABC R90", "DIN41612 MALE 3X32 ABC R90", Manufacturer=Harting, Mouser No.=617-09-03-196-6921
JP? JP? JP? JP? JP? JP? JP? JP? JP? JP? JP? JP? JP? JP? JP? JP? JP? JP? JP? JP?: library part "JUMPER 3 POS", "JUMPER 3 POS"
LD?: library part LED, "LED generic"
NT? NT? NT?: "Connection for 2 different NETNAME"
R1 R2 R5 R6 R7 R8 R9 R10 R11 R12 R15 R16 R17 R19 R21 R22 R23 R24 R25 R26 R27 R29 R31 R32 R33 R34 R37 R38 R39 R40 R41 R42 R43 R44 R47 R48 R49 R51 R53 R54 R55 R56 R57 R58 R59 R61 R63 R64 R65 R66 R69 R70 R71 R72 R73 R74 R75 R76 R79 R80 R81 R83 R85 R86 R87 R88 R89 R90 R91 R93 R95 R96 R97 R98 R101 R102 R103 R104 R105 R106 R107 R108 R111 R112 R113 R115 R117 R118 R119 R120 R121 R122 R123 R125 R127 R128 R129 R130 R133 R134 R135 R136 R137 R138 R139 R140 R143 R144 R145 R147 R149 R150 R151 R152 R153 R154 R155 R157 R159 R160 R? R? R? R? R? R? R? R? R? R? R? R? R? R? R? R? R? R? R?: library part Resistor, "Resistor 1% 50V 100mW 1608(0603)"
R? R? R? R? R? R? R? R? R? R? R? R? R? R? R? R? R? R? R? R? R? R? R?: library part Resistor, "Resistor 1% 50V 125mW 2012(0805)"
S?: library part "Push Button 2Pins", "Push Button, 2 pins"
TP? TP?: library part "Test Point", "Test Point"
U1: library part "OPA QUAD", "Generic quad OPA 14 pins"
U6 U7 U8 U9 U10 U11 U12 U13 U14 U15 U16 U17 U18 U19 U20 U21 U22 U24 U26 U27: "12-Bit, 1-MSPS, Micro-Power, Miniature SAR Analog-to-Digital Converters"
U23: "Micropower Precision Low Dropout Series Voltage Reference Family"
U? U? U? U? U? U? U? U? U? U?: library part "OPA QUAD", "Generic quad OPA 14 pins", Manufacturer="Analog Devices", Mouser No.=584-AD8648ARZ-R7
U? U?: library part DAC124S085CIMM, "DAC124S085 12-Bit Micro Power Quad Digital-to-Analog Converter With Rail-to-Rail Output", Manufacturer="Texas Instruments", Mouser No.=926-DAC124S085CIMMNO
U? U? U? U? U? U? U? U?: "Spartan-6 LXT 1.2V FPGA, 268 User I/Os, 484-Ball Fine-Pitch BGA (1.0mm Pitch)"
U?: "64Mb Serial Flash Memory"
U?: "24-Bit ADC with Ultra Low Noise PGIA - Crystal"
U?: library part "REGPOS TO252-2 GND,VIN,OUT", "Generic Positive Voltage Regulator"
X?: library part "Oscillator C5.2x7.2 IQD LFSPXO", "Oscillator C5.2x7.2 IQD LFSPXO", MouserNumber=710-831022731

## Via types
v1: diameter 23.62, hole 9.84, Top Layer to Bottom Layer, 5 vias

## Nets (pads, with @x,y where several pads share a name; then routed paths per layer and width w, separated by ;. In a path a pad name is that pad's centre, name@x,y a point inside that pad or via, vN(x,y) a via of type N, cw(c..) or ccw(c..) an arc to the next point about the centre after c; other vN are vias at no path point)
3VREFF: C?.2@21407.13,23230 C?.2@21577.13,23230 U6.1 U7.1 U8.1 U9.1 U10.1 U11.1 U12.1 U13.1 U14.1 U15.1 U16.1 U17.1 U18.1 U19.1 U20.1 U21.1 U22.1 U23.6 U24.1 U26.1 U27.1
+1.2V: U?.J8@14381.06,16240.59 U?.J10@14459.8,16240.59 U?.J12@14538.54,16240.59 U?.J14@14617.28,16240.59 U?.K9@14420.43,16201.22 U?.K11@14499.17,16201.22 U?.K13@14577.91,16201.22 U?.L10@14459.8,16161.85 U?.L12@14538.54,16161.85 U?.L14@14617.28,16161.85 U?.M9@14420.43,16122.48 U?.M11@14499.17,16122.48 U?.M13@14577.91,16122.48 U?.N10@14459.8,16083.11 U?.N12@14538.54,16083.11 U?.N14@14617.28,16083.11 U?.P9@14420.43,16043.74 U?.P11@14499.17,16043.74 U?.P13@14577.91,16043.74 U?.R14@14617.28,16004.37
+3V3_A: C?.1@16337.91,20810 C?.1@16532.91,20810 C?.2@19058.78,20820 C?.2@19152.13,23230 NT?.2@16702.28,20841.81 U?.1@15996.73,16053.58
+3V3_D: C?.1@19172.91,20810 C?.1@19367.91,20810 C?.2@18182.13,24020 C?.2@18182.13,24810 C?.2@20362.13,24020 C?.2@20362.13,24810 C?.2@22030,24010 C?.2@22030,24800 J?.1@9989.37,7382.52 J?.A31@7905,7328.82 J?.A32@7905,7428.82 J?.B31@8810,7328.82 J?.C31@9720,7328.82 NT?.1@16702.28,20818.19 NT?.1@18217.28,20818.19 R?.2@15703.78,20530 R?.2@15873.78,20530 R?.2@16213.78,14670 R?.2@16383.78,14670 R?.2@16553.78,14670 R?.2@16723.78,14670 R?.2@16916.65,14660 R?.2@18783.78,20530 R?.2@18953.78,20530 R?.2@19123.78,20530 R?.2@19293.78,20530 R?.2@21086.65,14660 R?.2@22281.65,14660 R?.2@23901.65,14660 U?.1@14825.63,19313.39 U?.1@14825.63,20103.39 U?.1@20256.89,20493.9 U?.4@10787.72,19340 U?.4@10787.72,20130 U?.8@16039.57,14660 U?.AA3@14184.21,15768.15 U?.AA7@14341.69,15768.15 U?.AA11@14499.17,15768.15 U?.AA15@14656.65,15768.15 U?.AA19@14814.13,15768.15 U?.B4@14223.58,16516.18 U?.B7@14341.69,16516.18 U?.B11@14499.17,16516.18 U?.B15@14656.65,16516.18 U?.B19@14814.13,16516.18 U?.C2@14144.84,16476.81 U?.C21@14892.87,16476.81 U?.D16@14696.02,16437.44 U?.E9@14420.43,16398.07 U?.E13@14577.91,16398.07 U?.E17@14735.39,16398.07 U?.E19@14814.13,16398.07 U?.F4@14223.58,16358.7 U?.F6@14302.32,16358.7 U?.F11@14499.17,16358.7 U?.G2@14144.84,16319.33 U?.G10@14459.8,16319.33 U?.G12@14538.54,16319.33 U?.G14@14617.28,16319.33 U?.G21@14892.87,16319.33 U?.H9@14420.43,16279.96 U?.H15@14656.65,16279.96 U?.J5@14262.95,16240.59 U?.J18@14774.76,16240.59 U?.K15@14656.65,16201.22 U?.L2@14144.84,16161.85 U?.L7@14341.69,16161.85 U?.L8@14381.06,16161.85 U?.L16@14696.02,16161.85 U?.L21@14892.87,16161.85 U?.M15@14656.65,16122.48 U?.N5@14262.95,16083.11 U?.N8@14381.06,16083.11 U?.N18@14774.76,16083.11 U?.R2@14144.84,16004.37 U?.R6@14302.32,16004.37 U?.R10@14459.8,16004.37 U?.R12@14538.54,16004.37 U?.R21@14892.87,16004.37 U?.T9@14420.43,15965 U?.T13@14577.91,15965 U?.U5@14262.95,15925.63 U?.U11@14499.17,15925.63 U?.U18@14774.76,15925.63 U?.V6@14302.32,15886.26 U?.V8@14381.06,15886.26 U?.V12@14538.54,15886.26 U?.V16@14696.02,15886.26 U?.W2@14144.84,15846.89 U?.W5@14262.95,15846.89 U?.W21@14892.87,15846.89 X?.1 X?.4
+3V3_F: C?.1@17317.91,20810 C?.1@17512.91,20810 NT?.2@18217.28,20841.81
+20V_A: C?.2@18812.13,23230 C?.2@21067.13,23230 C?.2@21237.13,23230 R?.2@15873.78,16420 U23.2 U23.3
+24V_BP: C?.2@18642.13,23230 J?.C32@9720,7428.82 U?.2@16177.83,16053.58
CLK_100MHz: X?.3
FPGA_DONE: LD?.2 R?.1@23822.91,14660 U?.Y22@23265.67,13900.35
GND_+24V_BP: J?.B32@8810,7428.82
GND_A: C3.1 C4.1 C5.1 C6.1 C9.1 C10.1 C11.1 C12.1 C55.1 C56.1 C57.1 C58.1 C61.1 C62.1 C63.1 C64.1 C66.2 C67.2 C68.2 C69.2 C?.1@17122.91,20810 C?.1@18579.13,23230 C?.1@18749.13,23230 C?.1@18807.91,20810 C?.1@18911.26,23230 C?.1@18995.79,20820 C?.1@19089.13,23230 C?.1@21004.13,23230 C?.1@21174.13,23230 C?.1@21344.13,23230 C?.1@21514.13,23230 C?.2@16416.65,20810 C?.2@16611.65,20810 JP?.3 NT?.2@16082.28,20841.81 R11.2 R12.2 R27.2 R29.2 R139.2 R140.2 R155.2 R157.2 R?.1@15640.79,16420 R?.2@17763.78,20820 R?.2@18123.78,20820 U6.2 U7.2 U8.2 U9.2 U10.2 U11.2 U12.2 U13.2 U14.2 U15.2 U16.2 U17.2 U18.2 U19.2 U20.2 U21.2 U22.2 U23.4 U24.2 U26.2 U27.2